# Altium PCB AD-FMComms3_revA.PcbDoc (part 4 of 6)
Units mil, origin at the board's own origin, x right, y up, seen from the top; angles counter-clockwise.
Board outline 3311.81 x 2716.54 mil, 10 copper layers (TOP, L2_GND, L3_PWR, L4_GND, L5_SIG, L6_SIG, L7_GND, L8_PWR, L9_GND, BOTTOM), stack 60.05 mil thick; 211 components, 138 nets, 808 pads, 812 vias.
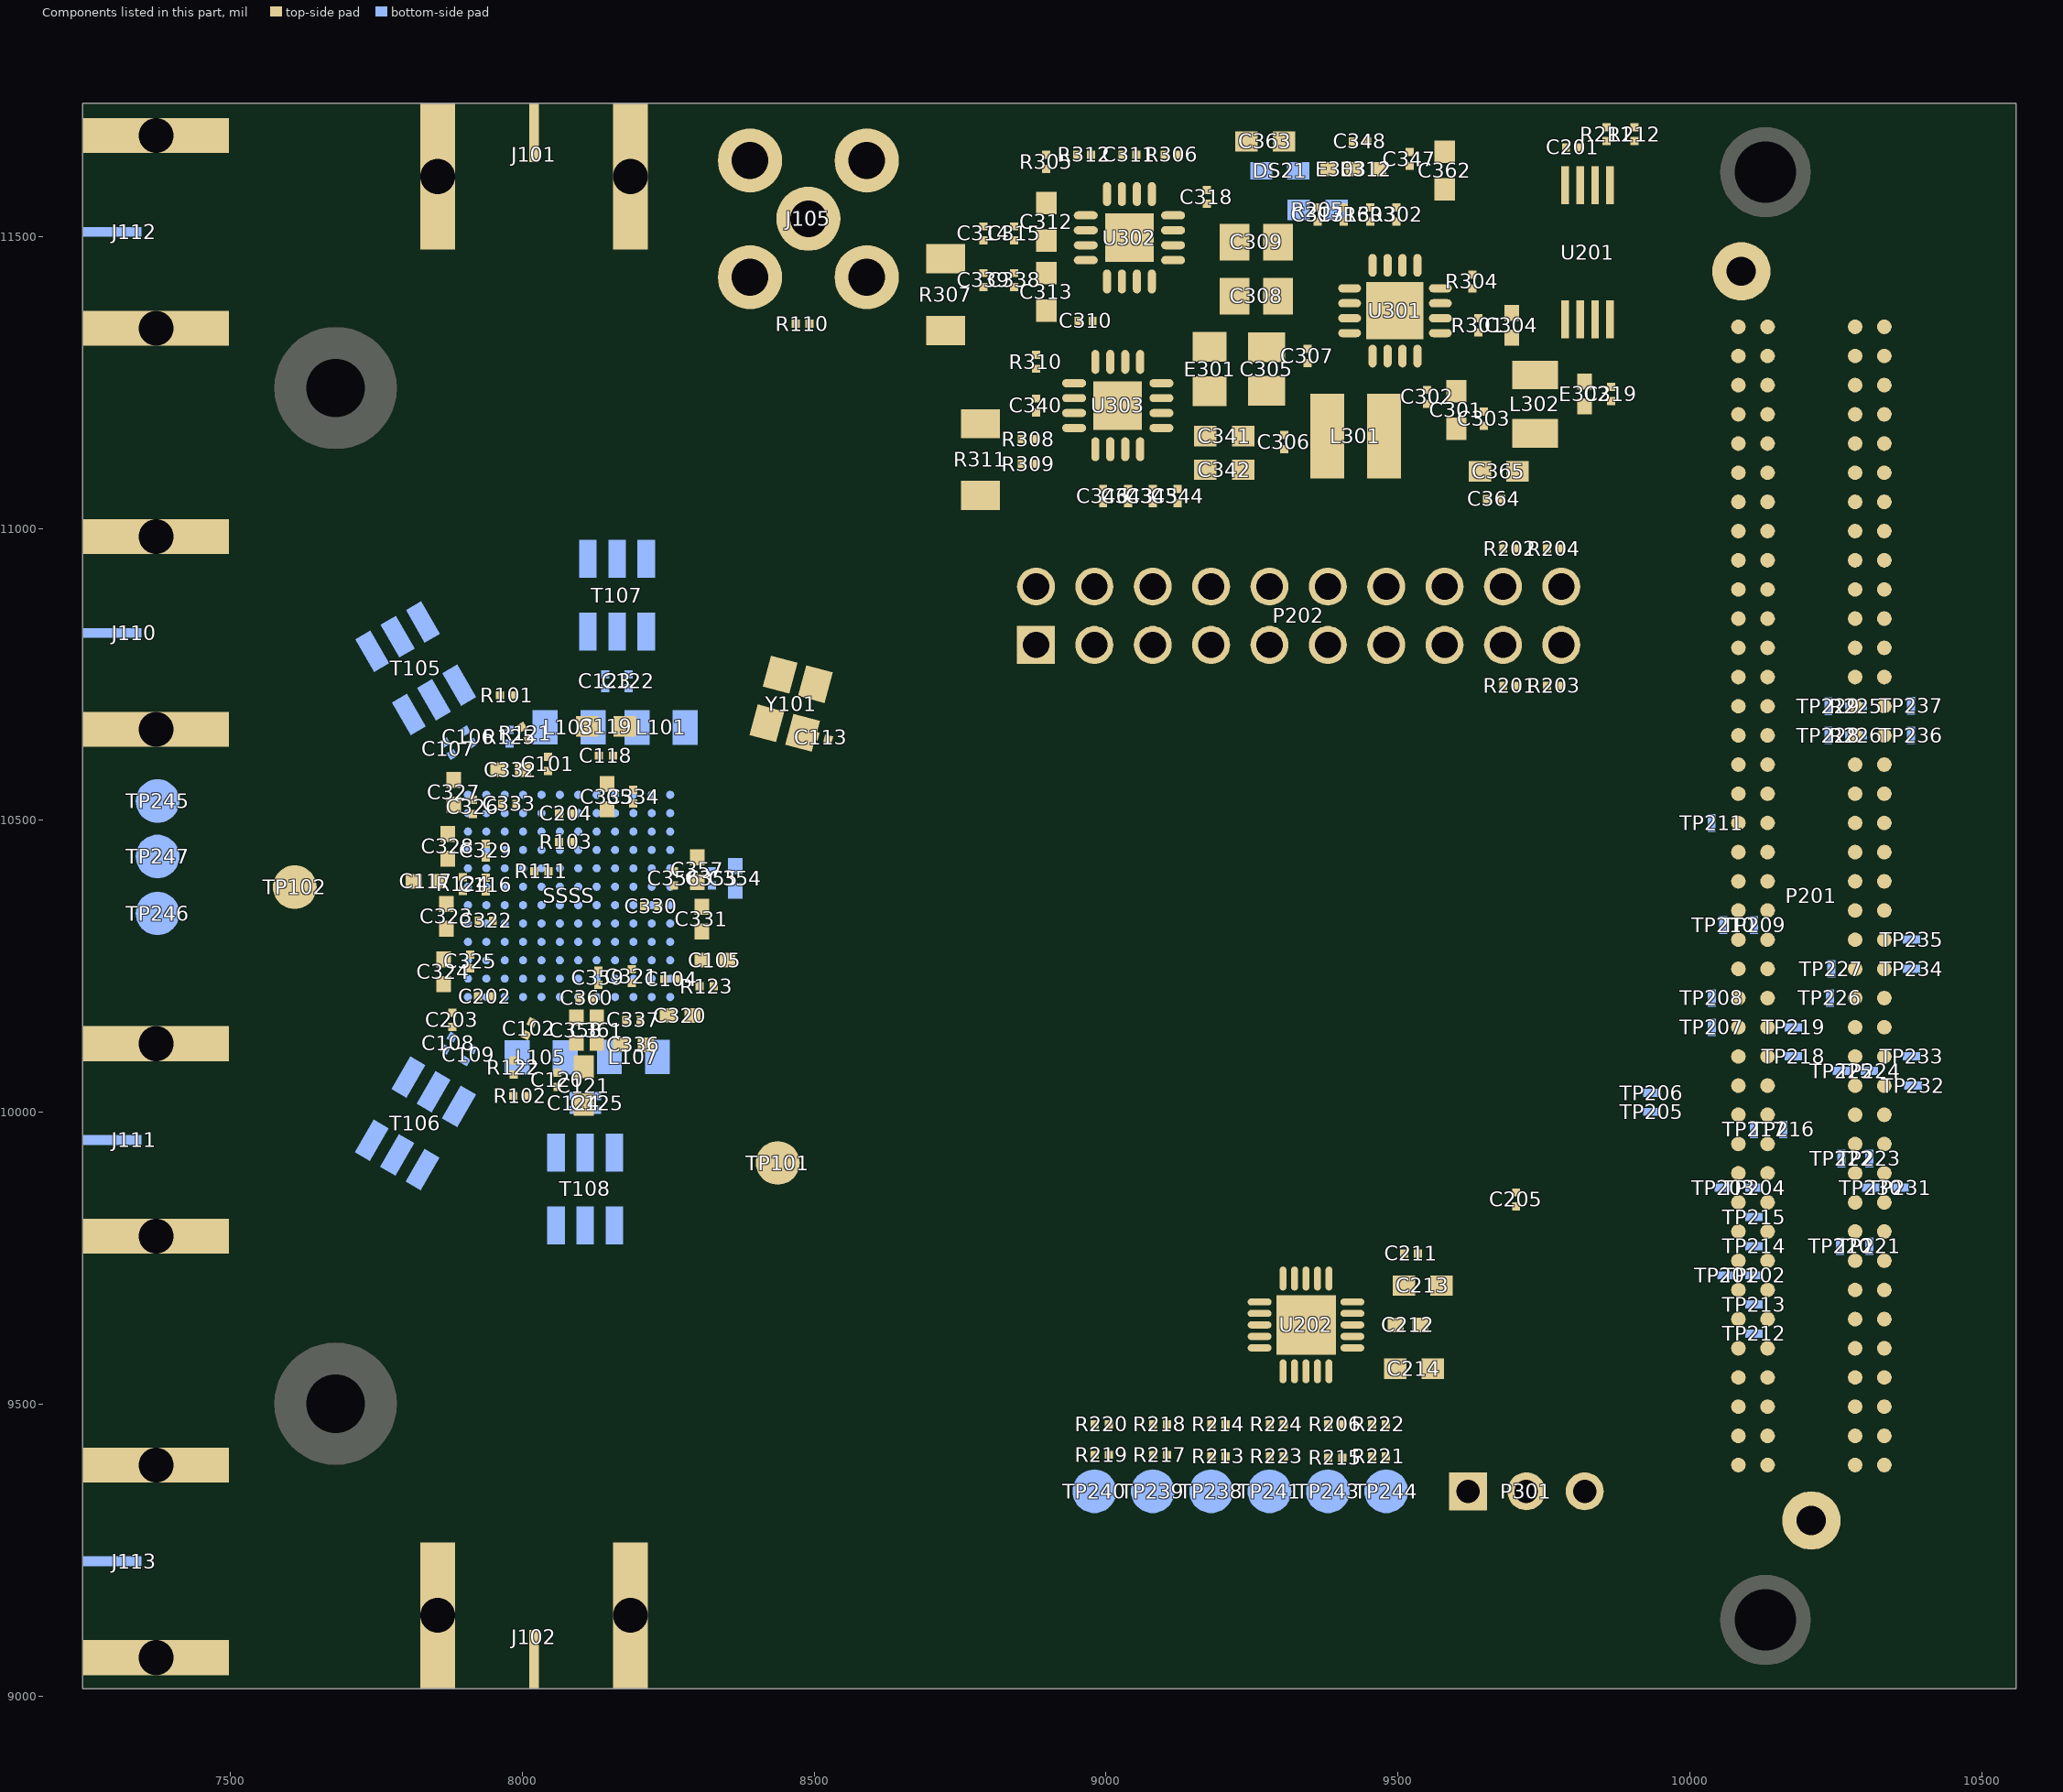
[diagram p12: the components of this part, seen from the top]

## Other copper (continued)
L2_GND:
  pour cut-out: 10146.57,11440.5 10145.45,11451.87 10142.13,11462.81 10136.75,11472.89 10129.49,11481.72 10120.66,11488.98 10110.58,11494.36 10099.64,11497.68 10088.27,11498.8 10076.9,11497.68 10065.96,11494.36 10059.24,11490.77 10055.88,11488.98 10047.05,11481.72 10039.79,11472.89 10034.41,11462.81 10031.09,11451.87 10029.97,11440.5 10031.09,11429.13 10034.41,11418.19 10039.79,11408.11 10047.05,11399.28 10055.88,11392.02 10059.24,11390.23 10065.96,11386.64 10076.9,11383.32 10088.27,11382.2 10099.64,11383.32 10110.58,11386.64 10120.66,11392.02 10129.49,11399.28 10136.75,11408.11 10142.13,11418.19 10145.45,11429.13 10146.57,11440.5
  pour cut-out: 10266.57,9300.5 10265.45,9311.87 10262.13,9322.81 10256.75,9332.89 10249.49,9341.72 10240.66,9348.98 10230.58,9354.36 10219.64,9357.68 10208.27,9358.8 10196.9,9357.68 10185.96,9354.36 10179.24,9350.77 10175.88,9348.98 10167.05,9341.72 10159.79,9332.89 10154.41,9322.81 10151.09,9311.87 10149.97,9300.5 10151.09,9289.13 10154.41,9278.19 10159.79,9268.11 10167.05,9259.28 10175.88,9252.02 10179.24,9250.23 10185.96,9246.64 10196.9,9243.32 10208.27,9242.2 10219.64,9243.32 10230.58,9246.64 10240.66,9252.02 10249.49,9259.28 10256.75,9268.11 10262.13,9278.19 10265.45,9289.13 10266.57,9300.5
  pour cut-out: 9860.87,9350.5 9859.48,9361.08 9855.39,9370.93 9848.9,9379.4 9840.43,9385.89 9830.58,9389.98 9820,9391.37 9809.42,9389.98 9799.57,9385.89 9791.1,9379.4 9784.61,9370.93 9780.52,9361.08 9779.13,9350.5 9780.52,9339.92 9784.61,9330.07 9791.1,9321.6 9799.57,9315.11 9809.42,9311.02 9820,9309.63 9830.58,9311.02 9840.43,9315.11 9848.9,9321.6 9855.39,9330.07 9859.48,9339.92 9860.87,9350.5
  pour cut-out: 9720.87,10900.5 9719.48,10911.08 9715.39,10920.93 9708.9,10929.4 9700.43,10935.89 9690.58,10939.98 9680,10941.37 9669.42,10939.98 9659.57,10935.89 9651.1,10929.4 9644.61,10920.93 9640.52,10911.08 9639.13,10900.5 9640.52,10889.92 9644.61,10880.07 9651.1,10871.6 9659.57,10865.11 9669.42,10861.02 9680,10859.63 9690.58,10861.02 9700.43,10865.11 9708.9,10871.6 9715.39,10880.07 9719.48,10889.92 9720.87,10900.5
  pour cut-out: 9820.87,10900.5 9819.48,10911.08 9815.39,10920.93 9808.9,10929.4 9800.43,10935.89 9790.58,10939.98 9780,10941.37 9769.42,10939.98 9759.57,10935.89 9751.1,10929.4 9744.61,10920.93 9740.52,10911.08 9739.13,10900.5 9740.52,10889.92 9744.61,10880.07 9751.1,10871.6 9759.57,10865.11 9769.42,10861.02 9780,10859.63 9790.58,10861.02 9800.43,10865.11 9808.9,10871.6 9815.39,10880.07 9819.48,10889.92 9820.87,10900.5
  pour cut-out: 9720.87,10800.5 9719.48,10811.08 9715.39,10820.93 9708.9,10829.4 9700.43,10835.89 9690.58,10839.98 9680,10841.37 9669.42,10839.98 9659.57,10835.89 9651.1,10829.4 9644.61,10820.93 9640.52,10811.08 9639.13,10800.5 9640.52,10789.92 9644.61,10780.07 9651.1,10771.6 9659.57,10765.11 9669.42,10761.02 9680,10759.63 9690.58,10761.02 9700.43,10765.11 9708.9,10771.6 9715.39,10780.07 9719.48,10789.92 9720.87,10800.5
  pour cut-out: 9820.87,10800.5 9819.48,10811.08 9815.39,10820.93 9808.9,10829.4 9800.43,10835.89 9790.58,10839.98 9780,10841.37 9769.42,10839.98 9759.57,10835.89 9751.1,10829.4 9744.61,10820.93 9740.52,10811.08 9739.13,10800.5 9740.52,10789.92 9744.61,10780.07 9751.1,10771.6 9759.57,10765.11 9769.42,10761.02 9780,10759.63 9790.58,10761.02 9800.43,10765.11 9808.9,10771.6 9815.39,10780.07 9819.48,10789.92 9820.87,10800.5
  pour cut-out: 9660.87,9350.5 9659.48,9361.08 9655.39,9370.93 9648.9,9379.4 9640.43,9385.89 9630.58,9389.98 9620,9391.37 9609.42,9389.98 9599.57,9385.89 9591.1,9379.4 9584.61,9370.93 9580.52,9361.08 9579.13,9350.5 9580.52,9339.92 9584.61,9330.07 9591.1,9321.6 9599.57,9315.11 9609.42,9311.02 9620,9309.63 9630.58,9311.02 9640.43,9315.11 9648.9,9321.6 9655.39,9330.07 9659.48,9339.92 9660.87,9350.5
  pour cut-out: 9760.87,9350.5 9759.48,9361.08 9755.39,9370.93 9748.9,9379.4 9740.43,9385.89 9730.58,9389.98 9720,9391.37 9709.42,9389.98 9699.57,9385.89 9691.1,9379.4 9684.61,9370.93 9680.52,9361.08 9679.13,9350.5 9680.52,9339.92 9684.61,9330.07 9691.1,9321.6 9699.57,9315.11 9709.42,9311.02 9720,9309.63 9730.58,9311.02 9740.43,9315.11 9748.9,9321.6 9755.39,9330.07 9759.48,9339.92 9760.87,9350.5
  pour cut-out: 9420.87,10900.5 9419.48,10911.08 9415.39,10920.93 9408.9,10929.4 9400.43,10935.89 9390.58,10939.98 9380,10941.37 9369.42,10939.98 9359.57,10935.89 9351.1,10929.4 9344.61,10920.93 9340.52,10911.08 9339.13,10900.5 9340.52,10889.92 9344.61,10880.07 9351.1,10871.6 9359.57,10865.11 9369.42,10861.02 9380,10859.63 9390.58,10861.02 9400.43,10865.11 9408.9,10871.6 9415.39,10880.07 9419.48,10889.92 9420.87,10900.5
  pour cut-out: 9520.87,10900.5 9519.48,10911.08 9515.39,10920.93 9508.9,10929.4 9500.43,10935.89 9490.58,10939.98 9480,10941.37 9469.42,10939.98 9459.57,10935.89 9451.1,10929.4 9444.61,10920.93 9440.52,10911.08 9439.13,10900.5 9440.52,10889.92 9444.61,10880.07 9451.1,10871.6 9459.57,10865.11 9469.42,10861.02 9480,10859.63 9490.58,10861.02 9500.43,10865.11 9508.9,10871.6 9515.39,10880.07 9519.48,10889.92 9520.87,10900.5
  pour cut-out: 9620.87,10900.5 9619.48,10911.08 9615.39,10920.93 9608.9,10929.4 9600.43,10935.89 9590.58,10939.98 9580,10941.37 9569.42,10939.98 9559.57,10935.89 9551.1,10929.4 9544.61,10920.93 9540.52,10911.08 9539.13,10900.5 9540.52,10889.92 9544.61,10880.07 9551.1,10871.6 9559.57,10865.11 9569.42,10861.02 9580,10859.63 9590.58,10861.02 9600.43,10865.11 9608.9,10871.6 9615.39,10880.07 9619.48,10889.92 9620.87,10900.5
  pour cut-out: 9420.87,10800.5 9419.48,10811.08 9415.39,10820.93 9408.9,10829.4 9400.43,10835.89 9390.58,10839.98 9380,10841.37 9369.42,10839.98 9359.57,10835.89 9351.1,10829.4 9344.61,10820.93 9340.52,10811.08 9339.13,10800.5 9340.52,10789.92 9344.61,10780.07 9351.1,10771.6 9359.57,10765.11 9369.42,10761.02 9380,10759.63 9390.58,10761.02 9400.43,10765.11 9408.9,10771.6 9415.39,10780.07 9419.48,10789.92 9420.87,10800.5
  pour cut-out: 9520.87,10800.5 9519.48,10811.08 9515.39,10820.93 9508.9,10829.4 9500.43,10835.89 9490.58,10839.98 9480,10841.37 9469.42,10839.98 9459.57,10835.89 9451.1,10829.4 9444.61,10820.93 9440.52,10811.08 9439.13,10800.5 9440.52,10789.92 9444.61,10780.07 9451.1,10771.6 9459.57,10765.11 9469.42,10761.02 9480,10759.63 9490.58,10761.02 9500.43,10765.11 9508.9,10771.6 9515.39,10780.07 9519.48,10789.92 9520.87,10800.5
  pour cut-out: 9620.87,10800.5 9619.48,10811.08 9615.39,10820.93 9608.9,10829.4 9600.43,10835.89 9590.58,10839.98 9580,10841.37 9569.42,10839.98 9559.57,10835.89 9551.1,10829.4 9544.61,10820.93 9540.52,10811.08 9539.13,10800.5 9540.52,10789.92 9544.61,10780.07 9551.1,10771.6 9559.57,10765.11 9569.42,10761.02 9580,10759.63 9590.58,10761.02 9600.43,10765.11 9608.9,10771.6 9615.39,10780.07 9619.48,10789.92 9620.87,10800.5
  pour cut-out: 9220.87,10900.5 9219.48,10911.08 9215.39,10920.93 9208.9,10929.4 9200.43,10935.89 9190.58,10939.98 9180,10941.37 9169.42,10939.98 9159.57,10935.89 9151.1,10929.4 9144.61,10920.93 9140.52,10911.08 9139.13,10900.5 9140.52,10889.92 9144.61,10880.07 9151.1,10871.6 9159.57,10865.11 9169.42,10861.02 9180,10859.63 9190.58,10861.02 9200.43,10865.11 9208.9,10871.6 9215.39,10880.07 9219.48,10889.92 9220.87,10900.5
  pour cut-out: 9320.87,10900.5 9319.48,10911.08 9315.39,10920.93 9308.9,10929.4 9300.43,10935.89 9290.58,10939.98 9280,10941.37 9269.42,10939.98 9259.57,10935.89 9251.1,10929.4 9244.61,10920.93 9240.52,10911.08 9239.13,10900.5 9240.52,10889.92 9244.61,10880.07 9251.1,10871.6 9259.57,10865.11 9269.42,10861.02 9280,10859.63 9290.58,10861.02 9300.43,10865.11 9308.9,10871.6 9315.39,10880.07 9319.48,10889.92 9320.87,10900.5
  pour cut-out: 9220.87,10800.5 9219.48,10811.08 9215.39,10820.93 9208.9,10829.4 9200.43,10835.89 9190.58,10839.98 9180,10841.37 9169.42,10839.98 9159.57,10835.89 9151.1,10829.4 9144.61,10820.93 9140.52,10811.08 9139.13,10800.5 9140.52,10789.92 9144.61,10780.07 9151.1,10771.6 9159.57,10765.11 9169.42,10761.02 9180,10759.63 9190.58,10761.02 9200.43,10765.11 9208.9,10771.6 9215.39,10780.07 9219.48,10789.92 9220.87,10800.5
  pour cut-out: 9320.87,10800.5 9319.48,10811.08 9315.39,10820.93 9308.9,10829.4 9300.43,10835.89 9290.58,10839.98 9280,10841.37 9269.42,10839.98 9259.57,10835.89 9251.1,10829.4 9244.61,10820.93 9240.52,10811.08 9239.13,10800.5 9240.52,10789.92 9244.61,10780.07 9251.1,10771.6 9259.57,10765.11 9269.42,10761.02 9280,10759.63 9290.58,10761.02 9300.43,10765.11 9308.9,10771.6 9315.39,10780.07 9319.48,10789.92 9320.87,10800.5
  pour cut-out: 9020.87,10900.5 9019.48,10911.08 9015.39,10920.93 9008.9,10929.4 9000.43,10935.89 8990.58,10939.98 8980,10941.37 8969.42,10939.98 8959.57,10935.89 8951.1,10929.4 8944.61,10920.93 8940.52,10911.08 8939.13,10900.5 8940.52,10889.92 8944.61,10880.07 8951.1,10871.6 8959.57,10865.11 8969.42,10861.02 8980,10859.63 8990.58,10861.02 9000.43,10865.11 9008.9,10871.6 9015.39,10880.07 9019.48,10889.92 9020.87,10900.5
  pour cut-out: 9120.87,10900.5 9119.48,10911.08 9115.39,10920.93 9108.9,10929.4 9100.43,10935.89 9090.58,10939.98 9080,10941.37 9069.42,10939.98 9059.57,10935.89 9051.1,10929.4 9044.61,10920.93 9040.52,10911.08 9039.13,10900.5 9040.52,10889.92 9044.61,10880.07 9051.1,10871.6 9059.57,10865.11 9069.42,10861.02 9080,10859.63 9090.58,10861.02 9100.43,10865.11 9108.9,10871.6 9115.39,10880.07 9119.48,10889.92 9120.87,10900.5
  pour cut-out: 9020.87,10800.5 9019.48,10811.08 9015.39,10820.93 9008.9,10829.4 9000.43,10835.89 8990.58,10839.98 8980,10841.37 8969.42,10839.98 8959.57,10835.89 8951.1,10829.4 8944.61,10820.93 8940.52,10811.08 8939.13,10800.5 8940.52,10789.92 8944.61,10780.07 8951.1,10771.6 8959.57,10765.11 8969.42,10761.02 8980,10759.63 8990.58,10761.02 9000.43,10765.11 9008.9,10771.6 9015.39,10780.07 9019.48,10789.92 9020.87,10800.5
  pour cut-out: 9120.87,10800.5 9119.48,10811.08 9115.39,10820.93 9108.9,10829.4 9100.43,10835.89 9090.58,10839.98 9080,10841.37 9069.42,10839.98 9059.57,10835.89 9051.1,10829.4 9044.61,10820.93 9040.52,10811.08 9039.13,10800.5 9040.52,10789.92 9044.61,10780.07 9051.1,10771.6 9059.57,10765.11 9069.42,10761.02 9080,10759.63 9090.58,10761.02 9100.43,10765.11 9108.9,10771.6 9115.39,10780.07 9119.48,10789.92 9120.87,10800.5
  pour cut-out: 8920.87,10900.5 8919.48,10911.08 8915.39,10920.93 8908.9,10929.4 8900.43,10935.89 8890.58,10939.98 8880,10941.37 8869.42,10939.98 8859.57,10935.89 8851.1,10929.4 8844.61,10920.93 8840.52,10911.08 8839.13,10900.5 8840.52,10889.92 8844.61,10880.07 8851.1,10871.6 8859.57,10865.11 8869.42,10861.02 8880,10859.63 8890.58,10861.02 8900.43,10865.11 8908.9,10871.6 8915.39,10880.07 8919.48,10889.92 8920.87,10900.5
  pour cut-out: 8920.87,10800.5 8919.48,10811.08 8915.39,10820.93 8908.9,10829.4 8900.43,10835.89 8890.58,10839.98 8880,10841.37 8869.42,10839.98 8859.57,10835.89 8851.1,10829.4 8844.61,10820.93 8840.52,10811.08 8839.13,10800.5 8840.52,10789.92 8844.61,10780.07 8851.1,10771.6 8859.57,10765.11 8869.42,10761.02 8880,10759.63 8890.58,10761.02 8900.43,10765.11 8908.9,10771.6 8915.39,10780.07 8919.48,10789.92 8920.87,10800.5
  text "2" at 10502.03,11654.98 h31 r270
L3_PWR:
  pour cut-out: 10266.57,9300.5 10265.45,9311.87 10262.13,9322.81 10256.75,9332.89 10249.49,9341.72 10240.66,9348.98 10230.58,9354.36 10219.64,9357.68 10208.27,9358.8 10196.9,9357.68 10185.96,9354.36 10179.24,9350.77 10175.88,9348.98 10167.05,9341.72 10159.79,9332.89 10154.41,9322.81 10151.09,9311.87 10149.97,9300.5 10151.09,9289.13 10154.41,9278.19 10159.79,9268.11 10167.05,9259.28 10175.88,9252.02 10179.24,9250.23 10185.96,9246.64 10196.9,9243.32 10208.27,9242.2 10219.64,9243.32 10230.58,9246.64 10240.66,9252.02 10249.49,9259.28 10256.75,9268.11 10262.13,9278.19 10265.45,9289.13 10266.57,9300.5
  pour cut-out: 9189.34,9382.49 9189.08,9382.25 9188.81,9382.04 9188.51,9381.86 9188.2,9381.7 9187.88,9381.56 9187.55,9381.46 9187.21,9381.38 9186.86,9381.34 9186.51,9381.32 9186.16,9381.34 9185.82,9381.39 9185.48,9381.46 9185.14,9381.57 9184.82,9381.7 9184.51,9381.86 9184.22,9382.05 9183.94,9382.26 9183.69,9382.5 9183.45,9382.76 9183.24,9383.03 9183.05,9383.33 9182.89,9383.64 9182.76,9383.96 9182.65,9384.29 9182.58,9384.63 9182.53,9384.98 9182.52,9385.32 9182.52,9627.64 9194.66,9639.78 9194.92,9640.02 9195.19,9640.23 9195.49,9640.41 9195.8,9640.57 9196.12,9640.71 9196.45,9640.81 9196.79,9640.89 9197.14,9640.93 9197.49,9640.95 9197.84,9640.93 9198.18,9640.89 9198.52,9640.81 9198.85,9640.7 9199.18,9640.57 9199.49,9640.41 9199.78,9640.22 9200.06,9640.01 9200.31,9639.77 9200.55,9639.52 9200.76,9639.24 9200.95,9638.94 9201.11,9638.63 9201.24,9638.31 9201.35,9637.98 9201.42,9637.64 9201.47,9637.29 9201.48,9636.95 9201.48,9394.63 9189.34,9382.49
  pour cut-out: 9652.71,10830.45 9652.44,10830.23 9652.16,10830.03 9651.85,10829.85 9651.54,10829.71 9651.21,10829.59 9650.87,10829.5 9650.53,10829.44 9650.18,10829.41 9649.83,10829.41 9649.48,10829.44 9649.14,10829.51 9648.8,10829.6 9648.48,10829.72 9648.16,10829.87 9647.86,10830.04 9647.57,10830.24 9647.31,10830.47 9647.06,10830.72 9646.84,10830.98 9646.64,10831.27 9646.47,10831.57 9646.32,10831.89 9646.2,10832.22 9646.11,10832.55 9646.05,10832.9 9646.02,10833.25 9646.02,10833.4 9646.02,10867.6 9646.04,10867.95 9646.08,10868.29 9646.16,10868.63 9646.26,10868.97 9646.4,10869.29 9646.56,10869.6 9646.75,10869.89 9646.96,10870.17 9647.2,10870.43 9647.45,10870.66 9647.73,10870.87 9648.03,10871.06 9648.34,10871.22 9648.66,10871.35 9648.99,10871.46 9649.33,10871.53 9649.68,10871.58 9650.03,10871.59 9650.37,10871.58 9650.72,10871.53 9651.06,10871.45 9651.39,10871.35 9651.71,10871.21 9652.02,10871.05 9652.32,10870.86 9652.59,10870.65 9652.71,10870.55 9655.42,10868.28 9658.32,10866.26 9661.39,10864.51 9664.6,10863.02 9667.92,10861.82 9671.34,10860.91 9674.82,10860.31 9678.35,10860.01 9681.88,10860.02 9683.17,10860.1 9683.52,10860.11 9683.87,10860.09 9684.21,10860.05 9684.55,10859.97 9684.88,10859.86 9685.2,10859.72 9685.51,10859.56 9685.8,10859.37 9686.08,10859.15 9686.33,10858.92 9686.57,10858.66 9686.78,10858.38 9686.96,10858.08 9687.12,10857.77 9687.25,10857.45 9687.35,10857.12 9687.43,10856.78 9687.47,10856.43 9687.48,10856.12 9687.48,10844.88 9687.46,10844.53 9687.42,10844.19 9687.34,10843.85 9687.24,10843.51 9687.1,10843.19 9686.94,10842.88 9686.75,10842.59 9686.54,10842.31 9686.31,10842.06 9686.05,10841.82 9685.77,10841.61 9685.48,10841.42 9685.17,10841.26 9684.85,10841.13 9684.51,10841.02 9684.17,10840.95 9683.83,10840.9 9683.48,10840.89 9683.17,10840.9 9679.64,10841.02 9676.11,10840.84 9672.61,10840.34 9669.16,10839.55 9665.8,10838.45 9662.55,10837.07 9659.43,10835.41 9656.46,10833.48 9653.68,10831.3 9652.71,10830.45
  pour cut-out: 9652.71,10930.45 9652.44,10930.23 9652.16,10930.03 9651.85,10929.85 9651.54,10929.71 9651.21,10929.59 9650.87,10929.5 9650.53,10929.44 9650.18,10929.41 9649.83,10929.41 9649.48,10929.44 9649.14,10929.51 9648.8,10929.6 9648.48,10929.72 9648.16,10929.87 9647.86,10930.04 9647.57,10930.24 9647.31,10930.47 9647.06,10930.72 9646.84,10930.98 9646.64,10931.27 9646.47,10931.57 9646.32,10931.89 9646.2,10932.22 9646.11,10932.55 9646.05,10932.9 9646.02,10933.25 9646.02,10933.4 9646.02,10981.37 9680.66,11016.01 9680.92,11016.25 9681.19,11016.46 9681.49,11016.65 9681.8,11016.81 9682.12,11016.94 9682.45,11017.05 9682.79,11017.12 9683.14,11017.17 9683.49,11017.18 9683.84,11017.17 9684.18,11017.12 9684.52,11017.05 9684.86,11016.94 9685.18,11016.81 9685.49,11016.65 9685.78,11016.46 9686.06,11016.25 9686.32,11016.01 9686.55,11015.75 9686.77,11015.48 9686.95,11015.18 9687.12,11014.87 9687.25,11014.55 9687.35,11014.22 9687.43,11013.88 9687.47,11013.53 9687.49,11013.18 9687.49,10944.88 9687.47,10944.53 9687.43,10944.19 9687.35,10943.84 9687.25,10943.51 9687.11,10943.19 9686.95,10942.88 9686.76,10942.59 9686.55,10942.31 9686.31,10942.05 9686.06,10941.82 9685.78,10941.61 9685.48,10941.42 9685.17,10941.26 9684.85,10941.13 9684.52,10941.02 9684.18,10940.95 9683.83,10940.9 9683.48,10940.89 9683.17,10940.9 9679.64,10941.02 9676.11,10940.84 9672.61,10940.34 9669.16,10939.55 9665.8,10938.45 9662.55,10937.07 9659.43,10935.41 9656.46,10933.48 9653.68,10931.3 9652.71,10930.45
  pour cut-out: 9520.87,10800.5 9519.48,10811.08 9515.39,10820.93 9508.9,10829.4 9500.43,10835.89 9490.58,10839.98 9480,10841.37 9469.42,10839.98 9459.57,10835.89 9451.1,10829.4 9444.61,10820.93 9440.52,10811.08 9439.13,10800.5 9440.52,10789.92 9444.61,10780.07 9451.1,10771.6 9459.57,10765.11 9469.42,10761.02 9480,10759.63 9490.58,10761.02 9500.43,10765.11 9508.9,10771.6 9515.39,10780.07 9519.48,10789.92 9520.87,10800.5
  pour cut-out: 9860.87,9350.5 9859.48,9361.08 9855.39,9370.93 9848.9,9379.4 9840.43,9385.89 9830.58,9389.98 9820,9391.37 9809.42,9389.98 9799.57,9385.89 9791.1,9379.4 9784.61,9370.93 9780.52,9361.08 9779.13,9350.5 9780.52,9339.92 9784.61,9330.07 9791.1,9321.6 9799.57,9315.11 9809.42,9311.02 9820,9309.63 9830.58,9311.02 9840.43,9315.11 9848.9,9321.6 9855.39,9330.07 9859.48,9339.92 9860.87,9350.5
  pour cut-out: 9820.87,10900.5 9819.48,10911.08 9815.39,10920.93 9808.9,10929.4 9800.43,10935.89 9790.58,10939.98 9780,10941.37 9769.42,10939.98 9759.57,10935.89 9751.1,10929.4 9744.61,10920.93 9740.52,10911.08 9739.13,10900.5 9740.52,10889.92 9744.61,10880.07 9751.1,10871.6 9759.57,10865.11 9769.42,10861.02 9780,10859.63 9790.58,10861.02 9800.43,10865.11 9808.9,10871.6 9815.39,10880.07 9819.48,10889.92 9820.87,10900.5
  pour cut-out: 9660.87,9350.5 9659.48,9361.08 9655.39,9370.93 9648.9,9379.4 9640.43,9385.89 9630.58,9389.98 9620,9391.37 9609.42,9389.98 9599.57,9385.89 9591.1,9379.4 9584.61,9370.93 9580.52,9361.08 9579.13,9350.5 9580.52,9339.92 9584.61,9330.07 9591.1,9321.6 9599.57,9315.11 9609.42,9311.02 9620,9309.63 9630.58,9311.02 9640.43,9315.11 9648.9,9321.6 9655.39,9330.07 9659.48,9339.92 9660.87,9350.5
  pour cut-out: 9760.87,9350.5 9759.48,9361.08 9755.39,9370.93 9748.9,9379.4 9740.43,9385.89 9730.58,9389.98 9720,9391.37 9709.42,9389.98 9699.57,9385.89 9691.1,9379.4 9684.61,9370.93 9680.52,9361.08 9679.13,9350.5 9680.52,9339.92 9684.61,9330.07 9691.1,9321.6 9699.57,9315.11 9709.42,9311.02 9720,9309.63 9730.58,9311.02 9740.43,9315.11 9748.9,9321.6 9755.39,9330.07 9759.48,9339.92 9760.87,9350.5
  pour cut-out: 9220.87,10900.5 9219.48,10911.08 9215.39,10920.93 9208.9,10929.4 9200.43,10935.89 9190.58,10939.98 9180,10941.37 9169.42,10939.98 9159.57,10935.89 9151.1,10929.4 9144.61,10920.93 9140.52,10911.08 9139.13,10900.5 9140.52,10889.92 9144.61,10880.07 9151.1,10871.6 9159.57,10865.11 9169.42,10861.02 9180,10859.63 9190.58,10861.02 9200.43,10865.11 9208.9,10871.6 9215.39,10880.07 9219.48,10889.92 9220.87,10900.5
  pour cut-out: 9320.87,10900.5 9319.48,10911.08 9315.39,10920.93 9308.9,10929.4 9300.43,10935.89 9290.58,10939.98 9280,10941.37 9269.42,10939.98 9259.57,10935.89 9251.1,10929.4 9244.61,10920.93 9240.52,10911.08 9239.13,10900.5 9240.52,10889.92 9244.61,10880.07 9251.1,10871.6 9259.57,10865.11 9269.42,10861.02 9280,10859.63 9290.58,10861.02 9300.43,10865.11 9308.9,10871.6 9315.39,10880.07 9319.48,10889.92 9320.87,10900.5
  pour cut-out: 9220.87,10800.5 9219.48,10811.08 9215.39,10820.93 9208.9,10829.4 9200.43,10835.89 9190.58,10839.98 9180,10841.37 9169.42,10839.98 9159.57,10835.89 9151.1,10829.4 9144.61,10820.93 9140.52,10811.08 9139.13,10800.5 9140.52,10789.92 9144.61,10780.07 9151.1,10771.6 9159.57,10765.11 9169.42,10761.02 9180,10759.63 9190.58,10761.02 9200.43,10765.11 9208.9,10771.6 9215.39,10780.07 9219.48,10789.92 9220.87,10800.5

## Text inside footprints (layer, text, board x,y; h text height)
SSSS: PIN_NUMBER "K5" at 8012.76,10480.74 h25 r270; PIN_NUMBER "F12" at 8223.23,10354.75 h25 r270; PIN_NUMBER "M9" at 8138.74,10543.73 h25 r270; PIN_NUMBER "M10" at 8160.24,10543.73 h25 r270; PIN_NUMBER "A9" at 8138.74,10197.27 h25 r270; PIN_NUMBER "A10" at 8160.24,10197.27 h25 r270; PIN_NUMBER "D2" at 7918.27,10291.76 h25 r270; PIN_NUMBER "D3" at 7949.76,10291.76 h25 r270; PIN_NUMBER "E3" at 7949.76,10323.26 h25 r270; PIN_NUMBER "K4" at 7981.26,10480.74 h25 r270; PIN_NUMBER "E2" at 7918.27,10323.26 h25 r270; PIN_NUMBER "F2" at 7918.27,10354.75 h25 r270; PIN_NUMBER "K3" at 7949.76,10480.74 h25 r270; PIN_NUMBER "J3" at 7949.76,10449.24 h25 r270; PIN_NUMBER "B9" at 8138.74,10228.77 h25 r270; PIN_NUMBER "B10" at 8160.24,10228.77 h25 r270; PIN_NUMBER "M11" at 8191.73,10543.73 h25 r270; PIN_NUMBER "B8" at 8107.24,10228.77 h25 r270; PIN_NUMBER "G2" at 7918.27,10386.25 h25 r270; PIN_NUMBER "G3" at 7949.76,10386.25 h25 r270; PIN_NUMBER "L4" at 7981.26,10512.23 h25 r270; PIN_NUMBER "A11" at 8191.73,10197.27 h25 r270; PIN_NUMBER "B11" at 8191.73,10228.77 h25 r270; PIN_NUMBER "A5" at 8012.76,10197.27 h25 r270; PIN_NUMBER "M5" at 8012.76,10543.73 h25 r270; PIN_NUMBER "H9" at 8138.74,10417.74 h25 r270; PIN_NUMBER "A12" at 8223.23,10197.27 h25 r270; PIN_NUMBER "E7" at 8075.75,10323.26 h25 r270; PIN_NUMBER "F8" at 8107.24,10354.75 h25 r270; PIN_NUMBER "D7" at 8075.75,10291.76 h25 r270; PIN_NUMBER "E8" at 8107.24,10323.26 h25 r270; PIN_NUMBER "D8" at 8107.24,10291.76 h25 r270; PIN_NUMBER "E9" at 8138.74,10323.26 h25 r270; PIN_NUMBER "D9" at 8138.74,10291.76 h25 r270; PIN_NUMBER "E10" at 8160.24,10323.26 h25 r270; PIN_NUMBER "D10" at 8160.24,10291.76 h25 r270; PIN_NUMBER "E11" at 8191.73,10323.26 h25 r270; PIN_NUMBER "D11" at 8191.73,10291.76 h25 r270; PIN_NUMBER "E12" at 8223.23,10323.26 h25 r270; PIN_NUMBER "G7" at 8075.75,10386.25 h25 r270; PIN_NUMBER "G1" at 7886.77,10386.25 h25 r270; PIN_NUMBER "H8" at 8107.24,10417.74 h25 r270; PIN_NUMBER "J7" at 8075.75,10449.24 h25 r270; PIN_NUMBER "J8" at 8107.24,10449.24 h25 r270; PIN_NUMBER "K7" at 8075.75,10480.74 h25 r270; PIN_NUMBER "J9" at 8138.74,10449.24 h25 r270; PIN_NUMBER "K8" at 8107.24,10480.74 h25 r270; PIN_NUMBER "J10" at 8160.24,10449.24 h25 r270; PIN_NUMBER "K9" at 8138.74,10480.74 h25 r270; PIN_NUMBER "J11" at 8191.73,10449.24 h25 r270; PIN_NUMBER "K10" at 8160.24,10480.74 h25 r270; PIN_NUMBER "J12" at 8223.23,10449.24 h25 r270; PIN_NUMBER "K11" at 8191.73,10480.74 h25 r270; PIN_NUMBER "G10" at 8160.24,10386.25 h25 r270; PIN_NUMBER "H11" at 8191.73,10417.74 h25 r270; PIN_NUMBER "C3" at 7949.76,10260.26 h25 r270; PIN_NUMBER "B3" at 7949.76,10228.77 h25 r270; PIN_NUMBER "L5" at 8012.76,10512.23 h25 r270; PIN_NUMBER "M3" at 7949.76,10543.73 h25 r270; PIN_NUMBER "A3" at 7949.76,10197.27 h25 r270; PIN_NUMBER "G9" at 8138.74,10386.25 h25 r270; PIN_NUMBER "A8" at 8107.24,10197.27 h25 r270; PIN_NUMBER "A7" at 8075.75,10197.27 h25 r270; PIN_NUMBER "M7" at 8075.75,10543.73 h25 r270; PIN_NUMBER "M8" at 8107.24,10543.73 h25 r270; PIN_NUMBER "G8" at 8107.24,10386.25 h25 r270; PIN_NUMBER "A2" at 7918.27,10197.27 h25 r270; PIN_NUMBER "A1" at 7886.77,10197.27 h25 r270; PIN_NUMBER "M1" at 7886.77,10543.73 h25 r270; PIN_NUMBER "M2" at 7918.27,10543.73 h25 r270; PIN_NUMBER "B4" at 7981.26,10228.77 h25 r270; PIN_NUMBER "B5" at 8012.76,10228.77 h25 r270; PIN_NUMBER "B6" at 8044.25,10228.77 h25 r270; PIN_NUMBER "B7" at 8075.75,10228.77 h25 r270; PIN_NUMBER "F10" at 8160.24,10354.75 h25 r270; PIN_NUMBER "G11" at 8191.73,10386.25 h25 r270; PIN_NUMBER "G4" at 7981.26,10386.25 h25 r270; PIN_NUMBER "F4" at 7981.26,10354.75 h25 r270; PIN_NUMBER "F5" at 8012.76,10354.75 h25 r270; PIN_NUMBER "F6" at 8044.25,10354.75 h25 r270; PIN_NUMBER "E6" at 8044.25,10323.26 h25 r270; PIN_NUMBER "E5" at 8012.76,10323.26 h25 r270; PIN_NUMBER "E4" at 7981.26,10323.26 h25 r270; PIN_NUMBER "D4" at 7981.26,10291.76 h25 r270; PIN_NUMBER "D5" at 8012.76,10291.76 h25 r270; PIN_NUMBER "D6" at 8044.25,10291.76 h25 r270; PIN_NUMBER "C6" at 8044.25,10260.26 h25 r270; PIN_NUMBER "C5" at 8012.76,10260.26 h25 r270; PIN_NUMBER "J6" at 8044.25,10449.24 h25 r270; PIN_NUMBER "H5" at 8012.76,10417.74 h25 r270; PIN_NUMBER "M12" at 8223.23,10543.73 h25 r270; PIN_NUMBER "H12" at 8223.23,10417.74 h25 r270; PIN_NUMBER "H4" at 7981.26,10417.74 h25 r270; PIN_NUMBER "K6" at 8044.25,10480.74 h25 r270; PIN_NUMBER "L6" at 8044.25,10512.23 h25 r270; PIN_NUMBER "J4" at 7981.26,10449.24 h25 r270; PIN_NUMBER "J5" at 8012.76,10449.24 h25 r270; PIN_NUMBER "F11" at 8191.73,10354.75 h25 r270; PIN_NUMBER "L1" at 7886.77,10512.23 h25 r270; PIN_NUMBER "H3" at 7949.76,10417.74 h25 r270; PIN_NUMBER "L7" at 8075.75,10512.23 h25 r270; PIN_NUMBER "H10" at 8160.24,10417.74 h25 r270; PIN_NUMBER "K12" at 8223.23,10480.74 h25 r270; PIN_NUMBER "F7" at 8075.75,10354.75 h25 r270; PIN_NUMBER "G12" at 8223.23,10386.25 h25 r270; PIN_NUMBER "C12" at 8223.23,10260.26 h25 r270; PIN_NUMBER "B12" at 8223.23,10228.77 h25 r270; PIN_NUMBER "D12" at 8223.23,10291.76 h25 r270; PIN_NUMBER "C11" at 8191.73,10260.26 h25 r270; PIN_NUMBER "C10" at 8160.24,10260.26 h25 r270; PIN_NUMBER "C9" at 8138.74,10260.26 h25 r270; PIN_NUMBER "M4" at 7981.26,10543.73 h25 r270; PIN_NUMBER "L2" at 7918.27,10512.23 h25 r270; PIN_NUMBER "K2" at 7918.27,10480.74 h25 r270; PIN_NUMBER "H2" at 7918.27,10417.74 h25 r270; PIN_NUMBER "M6" at 8044.25,10543.73 h25 r270; PIN_NUMBER "L11" at 8191.73,10512.23 h25 r270; PIN_NUMBER "H7" at 8075.75,10417.74 h25 r270; PIN_NUMBER "L12" at 8223.23,10512.23 h25 r270; PIN_NUMBER "L8" at 8107.24,10512.23 h25 r270; PIN_NUMBER "L9" at 8138.74,10512.23 h25 r270; PIN_NUMBER "J1" at 7886.77,10449.24 h25 r270; PIN_NUMBER "J2" at 7918.27,10449.24 h25 r270; PIN_NUMBER "F1" at 7886.77,10354.75 h25 r270; PIN_NUMBER "E1" at 7886.77,10323.26 h25 r270; PIN_NUMBER "C7" at 8075.75,10260.26 h25 r270; PIN_NUMBER "A6" at 8044.25,10197.27 h25 r270; PIN_NUMBER "F9" at 8138.74,10354.75 h25 r270; PIN_NUMBER "B1" at 7886.77,10228.77 h25 r270; PIN_NUMBER "B2" at 7918.27,10228.77 h25 r270; PIN_NUMBER "C2" at 7918.27,10260.26 h25 r270; PIN_NUMBER "C4" at 7981.26,10260.26 h25 r270; PIN_NUMBER "F3" at 7949.76,10354.75 h25 r270; PIN_NUMBER "L3" at 7949.76,10512.23 h25 r270; PIN_NUMBER "K1" at 7886.77,10480.74 h25 r270; PIN_NUMBER "H6" at 8044.25,10417.74 h25 r270; PIN_NUMBER "C8" at 8107.24,10260.26 h25 r270; PIN_NUMBER "L10" at 8160.24,10512.23 h25 r270; PIN_NUMBER "C1" at 7886.77,10260.26 h25 r270; PIN_NUMBER "H1" at 7886.77,10417.74 h25 r270; PIN_NUMBER "D1" at 7886.77,10291.76 h25 r270; PIN_NUMBER "A4" at 7981.26,10197.27 h25 r270; PIN_NUMBER "G5" at 8012.76,10386.25 h25 r270; PIN_NUMBER "G6" at 8044.25,10386.25 h25 r270; ASSEMBLY_BOTTOM "AD9361BBCZ" at 8030,10370.5 h25 r270; ASSEMBLY_BOTTOM "UPN" at 7850,10370.5 h25 r270; PAD_STACK_NAME "BGA144" at 8452.13,10370.5 h50 r270; PAD_STACK_NAME "C14" at 7559.37,10354.75 h50 r270; PAD_STACK_NAME "VIA1206" at 7404.57,10354.75 h50 r270; Bottom Overlay "A" at 7823.91,10178.56 h25 r270; Bottom Overlay "B" at 7823.91,10214.95 h25 r270; Bottom Overlay "C" at 7820.75,10251.35 h25 r270; Bottom Overlay "D" at 7822.33,10284.57 h25 r270; Bottom Overlay "E" at 7822.33,10316.22 h25 r270; Bottom Overlay "F" at 7823.91,10349.45 h25 r270; Bottom Overlay "G" at 7822.33,10395.33 h25 r270; Bottom Overlay "H" at 7823.91,10433.31 h25 r270; Bottom Overlay "J" at 7820.75,10466.54 h25 r270; Bottom Overlay "K" at 7825.5,10499.77 h25 r270; Bottom Overlay "L" at 7822.33,10536.16 h25 r270; Bottom Overlay "M" at 7825.5,10566.22 h25 r270; Bottom Overlay "1" at 7877.96,10096.69 h25 r270; Bottom Overlay "2" at 7909.61,10098.27 h25 r270; Bottom Overlay "3" at 7939.67,10098.27 h25 r270; Bottom Overlay "4" at 7974.48,10098.27 h25 r270; Bottom Overlay "5" at 8004.55,10101.44 h25 r270; Bottom Overlay "6" at 8033.03,10099.85 h25 r270; Bottom Overlay "7" at 8089.99,10096.69 h25 r270; Bottom Overlay "8" at 8120.06,10096.69 h25 r270; Bottom Overlay "9" at 8154.87,10098.27 h25 r270; Bottom Overlay "10" at 8188.09,10077.8 h25 r270; Bottom Overlay "11" at 8222.91,10079.38 h25 r270; Bottom Overlay "12" at 8254.55,10080.96 h25 r270; DISPLAY_BOTTOM "16JUL08" at 8003.1,9937.43 h30.98 r180; DISPLAY_BOTTOM "ADI/LCL" at 8005.57,9896.28 h30.98 r180; DISPLAY_BOTTOM "QA/MER" at 7995.81,10813.41 h30.98 r180; DISPLAY_BOTTOM "18JUL08" at 7982.84,10854 h30.98 r180; DISPLAY_BOTTOM "QA/JMTG" at 7983.42,10921.18 h30.98 r180; DISPLAY_BOTTOM "22JUN09" at 7982.84,10967.68 h30.98 r180; NOTES "USED A .010\" LINE WIDTH AND VIA1206 FOR FANOUTS" at 7020.93,10390.19 h25 r270; NOTES "VIA SIZE AND LINE WIDTH CAN BE INCREASED / DECREASED" at 6927.39,10379.41 h25 r270; NOTES "AT THE DISCRETION OF THE DESIGNER" at 7074.76,10356.67 h25 r270
T105: PIN_NUMBER "5" at 7838.75,10706.38 h25 r30; PIN_NUMBER "2" at 7776.25,10814.62 h25 r30; PIN_NUMBER "1" at 7819.55,10839.63 h25 r30; PIN_NUMBER "3" at 7732.95,10789.63 h25 r30; PIN_NUMBER "6" at 7882.05,10731.37 h25 r30; PIN_NUMBER "4" at 7795.45,10681.37 h25 r30; ASSEMBLY_BOTTOM "UPN" at 7722.55,10723 h25 r300; ASSEMBLY_BOTTOM "TCM1-63AX+" at 7739.15,10773 h25 r300; PAD_STACK_NAME "TSML150W160H160" at 7417.5,10933.71 h50 r30; PAD_STACK_NAME "30X65" at 7804.99,10608.95 h50 r30; DISPLAY_BOTTOM "04SEP12" at 7535.84,10648 h31 r300; DISPLAY_BOTTOM "QA/REP" at 7591.55,10673.01 h31 r300; DISPLAY_BOTTOM "04SEP12" at 7860.61,10835.5 h31 r300; DISPLAY_BOTTOM "ADI/JSM" at 7903.91,10860.5 h31 r300
T106: PIN_NUMBER "5" at 7838.03,10035.02 h25 r150; PIN_NUMBER "1" at 7732.24,9951.77 h25 r150; PIN_NUMBER "2" at 7775.55,9926.78 h25 r150; PIN_NUMBER "3" at 7818.84,9901.78 h25 r150; PIN_NUMBER "6" at 7794.74,10060.02 h25 r150; PIN_NUMBER "4" at 7881.34,10010.03 h25 r150; ASSEMBLY_BOTTOM "UPN" at 7851.74,9943.4 h25 r60; ASSEMBLY_BOTTOM "TCM1-63AX+" at 7695.14,9993.39 h25 r60; PAD_STACK_NAME "TSML150W160H160" at 7416.8,9807.7 h50 r150; PAD_STACK_NAME "30X65" at 7804.28,10132.45 h50 r150; DISPLAY_BOTTOM "04SEP12" at 7924.85,9868.39 h31 r60; DISPLAY_BOTTOM "QA/REP" at 7893.94,9893.41 h31 r60; DISPLAY_BOTTOM "04SEP12" at 7600.08,10055.89 h31 r60; DISPLAY_BOTTOM "ADI/JSM" at 7556.79,10080.89 h31 r60
T107: PIN_NUMBER "5" at 8152.22,10822.98 h25; PIN_NUMBER "2" at 8152.22,10947.98 h25; PIN_NUMBER "1" at 8202.22,10947.98 h25; PIN_NUMBER "3" at 8102.22,10947.98 h25; PIN_NUMBER "6" at 8202.22,10822.98 h25; PIN_NUMBER "4" at 8102.22,10822.98 h25; ASSEMBLY_BOTTOM "UPN" at 8057.22,10885.48 h25 r270; ASSEMBLY_BOTTOM "TCM1-63AX+" at 8087.22,10885.48 h25 r270; PAD_STACK_NAME "TSML150W160H160" at 7862.22,11085.48 h50; PAD_STACK_NAME "30X65" at 8062.22,10710.48 h50; DISPLAY_BOTTOM "04SEP12" at 7850.42,10885.48 h31 r270; DISPLAY_BOTTOM "QA/REP" at 7912.82,10885.48 h31 r270; DISPLAY_BOTTOM "04SEP12" at 8225.42,10885.48 h31 r270; DISPLAY_BOTTOM "ADI/JSM" at 8275.42,10885.48 h31 r270
T108: PIN_NUMBER "5" at 8097.77,9931.02 h25 r180; PIN_NUMBER "2" at 8097.77,9806.02 h25 r180; PIN_NUMBER "1" at 8047.77,9806.02 h25 r180; PIN_NUMBER "3" at 8147.77,9806.02 h25 r180; PIN_NUMBER "6" at 8047.77,9931.02 h25 r180; PIN_NUMBER "4" at 8147.77,9931.02 h25 r180; ASSEMBLY_BOTTOM "UPN" at 8152.77,9868.52 h25 r90; ASSEMBLY_BOTTOM "TCM1-63AX+" at 7982.77,9868.52 h25 r90; PAD_STACK_NAME "TSML150W160H160" at 7807.77,9668.52 h50 r180; PAD_STACK_NAME "30X65" at 8007.77,10043.52 h50 r180; DISPLAY_BOTTOM "04SEP12" at 8245.97,9868.52 h31 r90; DISPLAY_BOTTOM "QA/REP" at 8208.37,9868.52 h31 r90; DISPLAY_BOTTOM "04SEP12" at 7870.97,9868.52 h31 r90; DISPLAY_BOTTOM "ADI/JSM" at 7820.97,9868.52 h31 r90
TP101: PIN_NUMBER "1" at 8427.5,9913 h25; PAD_STACK_NAME "C75D45" at 8317.5,9813 h50; PAD_STACK_NAME "TPC75D45" at 8277.5,10013 h50; DISPLAY_TOP "17DEC09" at 8590.7,9913 h31 r90; DISPLAY_TOP "ADI/MAM" at 8540.7,9913 h31 r90; DISPLAY_TOP "ADI/PMA" at 8450.7,9913 h31 r90; DISPLAY_TOP "26APR99" at 8250.7,9913 h31 r90; DISPLAY_TOP "CEXI/BTC" at 8188.3,9913 h31 r90; DISPLAY_TOP "26APR99" at 8500.7,9913 h31 r90; ASSEMBLY_TOP "UPN" at 8507.5,9913 h25 r90; ASSEMBLY_TOP "WP45" at 8372.5,9913 h25 r90
TP102: PIN_NUMBER "1" at 7600,10385.5 h25; PAD_STACK_NAME "C75D45" at 7490,10285.5 h50; PAD_STACK_NAME "TPC75D45" at 7450,10485.5 h50; DISPLAY_TOP "17DEC09" at 7763.2,10385.5 h31 r90; DISPLAY_TOP "ADI/MAM" at 7713.2,10385.5 h31 r90; DISPLAY_TOP "ADI/PMA" at 7623.2,10385.5 h31 r90; DISPLAY_TOP "26APR99" at 7423.2,10385.5 h31 r90; DISPLAY_TOP "CEXI/BTC" at 7360.8,10385.5 h31 r90; DISPLAY_TOP "26APR99" at 7673.2,10385.5 h31 r90; ASSEMBLY_TOP "UPN" at 7680,10385.5 h25 r90; ASSEMBLY_TOP "WP45" at 7545,10385.5 h25 r90
TP201: PIN_NUMBER "1" at 10052.5,9720.5 h25 r90; ASSEMBLY_BOTTOM "TP-108" at 10043.8,9739.3 h25; ASSEMBLY_BOTTOM "UPN" at 9979.8,9680.8 h25; PAD_STACK_NAME "TPSM70X135" at 9716.9,9712.1 h50 r90; PAD_STACK_NAME "14X30" at 10128.1,9728 h50 r90; DISPLAY_BOTTOM "DDMMMYY" at 9981.9,9497.3 h31; DISPLAY_BOTTOM "ADI/JDB" at 9975.7,9870.5 h31; DISPLAY_BOTTOM "02AUG13" at 9975.7,9820.5 h31; DISPLAY_BOTTOM "QA/XXX" at 9993.6,9533.6 h31; DISPLAY_BOTTOM "QA/XXX" at 9988.1,9620.5 h31; DISPLAY_BOTTOM "DDMMMYY" at 9976.4,9583.7 h31
TP202: PIN_NUMBER "1" at 10100,9720.5 h25 r270; ASSEMBLY_BOTTOM "TP-108" at 10008.7,9701.7 h25 r180; ASSEMBLY_BOTTOM "UPN" at 10132.7,9760.2 h25 r180; PAD_STACK_NAME "TPSM70X135" at 10055.6,9728.9 h50 r270; PAD_STACK_NAME "14X30" at 9844.4,9713 h50 r270; DISPLAY_BOTTOM "DDMMMYY" at 10017,9943.7 h31 r180; DISPLAY_BOTTOM "ADI/JDB" at 10023.2,9570.5 h31 r180; DISPLAY_BOTTOM "02AUG13" at 10023.2,9620.5 h31 r180; DISPLAY_BOTTOM "QA/XXX" at 10030.1,9907.4 h31 r180; DISPLAY_BOTTOM "QA/XXX" at 10035.6,9820.5 h31 r180; DISPLAY_BOTTOM "DDMMMYY" at 10022.5,9857.3 h31 r180
TP203: PIN_NUMBER "1" at 10047.5,9870.5 h25 r90; ASSEMBLY_BOTTOM "TP-108" at 10038.8,9889.3 h25; ASSEMBLY_BOTTOM "UPN" at 9974.8,9830.8 h25; PAD_STACK_NAME "TPSM70X135" at 9711.9,9862.1 h50 r90; PAD_STACK_NAME "14X30" at 10123.1,9878 h50 r90; DISPLAY_BOTTOM "DDMMMYY" at 9976.9,9647.3 h31; DISPLAY_BOTTOM "ADI/JDB" at 9970.7,10020.5 h31; DISPLAY_BOTTOM "02AUG13" at 9970.7,9970.5 h31; DISPLAY_BOTTOM "QA/XXX" at 9988.6,9683.6 h31; DISPLAY_BOTTOM "QA/XXX" at 9983.1,9770.5 h31; DISPLAY_BOTTOM "DDMMMYY" at 9971.4,9733.7 h31
TP204: PIN_NUMBER "1" at 10100,9870.5 h25 r90; ASSEMBLY_BOTTOM "TP-108" at 10091.3,9889.3 h25; ASSEMBLY_BOTTOM "UPN" at 10027.3,9830.8 h25; PAD_STACK_NAME "TPSM70X135" at 9764.4,9862.1 h50 r90; PAD_STACK_NAME "14X30" at 10175.6,9878 h50 r90; DISPLAY_BOTTOM "DDMMMYY" at 10029.4,9647.3 h31; DISPLAY_BOTTOM "ADI/JDB" at 10023.2,10020.5 h31; DISPLAY_BOTTOM "02AUG13" at 10023.2,9970.5 h31; DISPLAY_BOTTOM "QA/XXX" at 10041.1,9683.6 h31; DISPLAY_BOTTOM "QA/XXX" at 10035.6,9770.5 h31; DISPLAY_BOTTOM "DDMMMYY" at 10023.9,9733.7 h31
TP205: PIN_NUMBER "1" at 9925,10000.5 h25 r90; ASSEMBLY_BOTTOM "TP-108" at 9916.3,10019.3 h25; ASSEMBLY_BOTTOM "UPN" at 9852.3,9960.8 h25; PAD_STACK_NAME "TPSM70X135" at 9589.4,9992.1 h50 r90; PAD_STACK_NAME "14X30" at 10000.6,10008 h50 r90; DISPLAY_BOTTOM "DDMMMYY" at 9854.4,9777.3 h31; DISPLAY_BOTTOM "ADI/JDB" at 9848.2,10150.5 h31; DISPLAY_BOTTOM "02AUG13" at 9848.2,10100.5 h31; DISPLAY_BOTTOM "QA/XXX" at 9866.1,9813.6 h31; DISPLAY_BOTTOM "QA/XXX" at 9860.6,9900.5 h31; DISPLAY_BOTTOM "DDMMMYY" at 9848.9,9863.7 h31
TP206: PIN_NUMBER "1" at 9925,10033 h25 r90; ASSEMBLY_BOTTOM "TP-108" at 9916.3,10051.8 h25; ASSEMBLY_BOTTOM "UPN" at 9852.3,9993.3 h25; PAD_STACK_NAME "TPSM70X135" at 9589.4,10024.6 h50 r90; PAD_STACK_NAME "14X30" at 10000.6,10040.5 h50 r90; DISPLAY_BOTTOM "DDMMMYY" at 9854.4,9809.8 h31; DISPLAY_BOTTOM "ADI/JDB" at 9848.2,10183 h31; DISPLAY_BOTTOM "02AUG13" at 9848.2,10133 h31; DISPLAY_BOTTOM "QA/XXX" at 9866.1,9846.1 h31; DISPLAY_BOTTOM "QA/XXX" at 9860.6,9933 h31; DISPLAY_BOTTOM "DDMMMYY" at 9848.9,9896.2 h31
TP207: PIN_NUMBER "1" at 10027.5,10145.5 h25 r180; ASSEMBLY_BOTTOM "TP-108" at 9958.7,10186.8 h25 r90; ASSEMBLY_BOTTOM "UPN" at 10047.2,10092.8 h25 r90; PAD_STACK_NAME "TPSM70X135" at 9845.9,9999.9 h50 r180; PAD_STACK_NAME "14X30" at 9930,10311.1 h50 r180; DISPLAY_BOTTOM "DDMMMYY" at 10173.9,10151.7 h31 r90; DISPLAY_BOTTOM "ADI/JDB" at 9800.7,10145.5 h31 r90; DISPLAY_BOTTOM "02AUG13" at 9850.7,10145.5 h31 r90; DISPLAY_BOTTOM "QA/XXX" at 10150,10151 h31 r90; DISPLAY_BOTTOM "QA/XXX" at 10063.1,10145.5 h31 r90; DISPLAY_BOTTOM "DDMMMYY" at 10087.5,10146.2 h31 r90
TP208: PIN_NUMBER "1" at 10027.5,10195.5 h25 r180; ASSEMBLY_BOTTOM "TP-108" at 9958.7,10236.8 h25 r90; ASSEMBLY_BOTTOM "UPN" at 10047.2,10142.8 h25 r90; PAD_STACK_NAME "TPSM70X135" at 9845.9,10049.9 h50 r180; PAD_STACK_NAME "14X30" at 9930,10361.1 h50 r180; DISPLAY_BOTTOM "DDMMMYY" at 10173.9,10201.7 h31 r90; DISPLAY_BOTTOM "ADI/JDB" at 9800.7,10195.5 h31 r90; DISPLAY_BOTTOM "02AUG13" at 9850.7,10195.5 h31 r90; DISPLAY_BOTTOM "QA/XXX" at 10150,10201 h31 r90; DISPLAY_BOTTOM "QA/XXX" at 10063.1,10195.5 h31 r90; DISPLAY_BOTTOM "DDMMMYY" at 10087.5,10196.2 h31 r90
TP209: PIN_NUMBER "1" at 10100,10320.5 h25 r180; ASSEMBLY_BOTTOM "TP-108" at 10031.2,10361.8 h25 r90; ASSEMBLY_BOTTOM "UPN" at 10119.7,10267.8 h25 r90; PAD_STACK_NAME "TPSM70X135" at 9918.4,10174.9 h50 r180; PAD_STACK_NAME "14X30" at 10002.5,10486.1 h50 r180; DISPLAY_BOTTOM "DDMMMYY" at 10246.4,10326.7 h31 r90; DISPLAY_BOTTOM "ADI/JDB" at 9873.2,10320.5 h31 r90; DISPLAY_BOTTOM "02AUG13" at 9923.2,10320.5 h31 r90; DISPLAY_BOTTOM "QA/XXX" at 10222.5,10326 h31 r90; DISPLAY_BOTTOM "QA/XXX" at 10135.6,10320.5 h31 r90; DISPLAY_BOTTOM "DDMMMYY" at 10160,10321.2 h31 r90
TP210: PIN_NUMBER "1" at 10047.5,10320.5 h25 r180; ASSEMBLY_BOTTOM "TP-108" at 9978.7,10361.8 h25 r90; ASSEMBLY_BOTTOM "UPN" at 10067.2,10267.8 h25 r90; PAD_STACK_NAME "TPSM70X135" at 9865.9,10174.9 h50 r180; PAD_STACK_NAME "14X30" at 9950,10486.1 h50 r180; DISPLAY_BOTTOM "DDMMMYY" at 10193.9,10326.7 h31 r90; DISPLAY_BOTTOM "ADI/JDB" at 9820.7,10320.5 h31 r90; DISPLAY_BOTTOM "02AUG13" at 9870.7,10320.5 h31 r90; DISPLAY_BOTTOM "QA/XXX" at 10170,10326 h31 r90; DISPLAY_BOTTOM "QA/XXX" at 10083.1,10320.5 h31 r90; DISPLAY_BOTTOM "DDMMMYY" at 10107.5,10321.2 h31 r90
TP211: PIN_NUMBER "1" at 10027.45,10495.5 h25; ASSEMBLY_BOTTOM "TP-108" at 9996.25,10454.2 h25 r270; ASSEMBLY_BOTTOM "UPN" at 9967.75,10548.2 h25 r270; PAD_STACK_NAME "TPSM70X135" at 9829.05,10641.1 h50; PAD_STACK_NAME "14X30" at 9944.95,10329.9 h50; DISPLAY_BOTTOM "DDMMMYY" at 9727.45,10489.3 h31 r270; DISPLAY_BOTTOM "ADI/JDB" at 10100.65,10495.5 h31 r270; DISPLAY_BOTTOM "02AUG13" at 10050.65,10495.5 h31 r270; DISPLAY_BOTTOM "QA/XXX" at 9776.15,10490 h31 r270; DISPLAY_BOTTOM "QA/XXX" at 9863.05,10495.5 h31 r270; DISPLAY_BOTTOM "DDMMMYY" at 9813.85,10494.8 h31 r270
TP212: PIN_NUMBER "1" at 10100,9620.5 h25 r90; ASSEMBLY_BOTTOM "TP-108" at 10091.3,9639.3 h25; ASSEMBLY_BOTTOM "UPN" at 10027.3,9580.8 h25; PAD_STACK_NAME "TPSM70X135" at 9764.4,9612.1 h50 r90; PAD_STACK_NAME "14X30" at 10175.6,9628 h50 r90; DISPLAY_BOTTOM "DDMMMYY" at 10029.4,9397.3 h31; DISPLAY_BOTTOM "ADI/JDB" at 10023.2,9770.5 h31; DISPLAY_BOTTOM "02AUG13" at 10023.2,9720.5 h31; DISPLAY_BOTTOM "QA/XXX" at 10041.1,9433.6 h31; DISPLAY_BOTTOM "QA/XXX" at 10035.6,9520.5 h31; DISPLAY_BOTTOM "DDMMMYY" at 10023.9,9483.7 h31
TP213: PIN_NUMBER "1" at 10100,9670.5 h25 r90; ASSEMBLY_BOTTOM "TP-108" at 10091.3,9689.3 h25; ASSEMBLY_BOTTOM "UPN" at 10027.3,9630.8 h25; PAD_STACK_NAME "TPSM70X135" at 9764.4,9662.1 h50 r90; PAD_STACK_NAME "14X30" at 10175.6,9678 h50 r90; DISPLAY_BOTTOM "DDMMMYY" at 10029.4,9447.3 h31; DISPLAY_BOTTOM "ADI/JDB" at 10023.2,9820.5 h31; DISPLAY_BOTTOM "02AUG13" at 10023.2,9770.5 h31; DISPLAY_BOTTOM "QA/XXX" at 10041.1,9483.6 h31; DISPLAY_BOTTOM "QA/XXX" at 10035.6,9570.5 h31; DISPLAY_BOTTOM "DDMMMYY" at 10023.9,9533.7 h31
TP214: PIN_NUMBER "1" at 10100,9770.5 h25 r90; ASSEMBLY_BOTTOM "TP-108" at 10091.3,9789.3 h25; ASSEMBLY_BOTTOM "UPN" at 10027.3,9730.8 h25; PAD_STACK_NAME "TPSM70X135" at 9764.4,9762.1 h50 r90; PAD_STACK_NAME "14X30" at 10175.6,9778 h50 r90; DISPLAY_BOTTOM "DDMMMYY" at 10029.4,9547.3 h31; DISPLAY_BOTTOM "ADI/JDB" at 10023.2,9920.5 h31; DISPLAY_BOTTOM "02AUG13" at 10023.2,9870.5 h31; DISPLAY_BOTTOM "QA/XXX" at 10041.1,9583.6 h31; DISPLAY_BOTTOM "QA/XXX" at 10035.6,9670.5 h31; DISPLAY_BOTTOM "DDMMMYY" at 10023.9,9633.7 h31
TP215: PIN_NUMBER "1" at 10100,9820.5 h25 r270; ASSEMBLY_BOTTOM "TP-108" at 10008.7,9801.7 h25 r180; ASSEMBLY_BOTTOM "UPN" at 10132.7,9860.2 h25 r180; PAD_STACK_NAME "TPSM70X135" at 10055.6,9828.9 h50 r270; PAD_STACK_NAME "14X30" at 9844.4,9813 h50 r270; DISPLAY_BOTTOM "DDMMMYY" at 10017,10043.7 h31 r180; DISPLAY_BOTTOM "ADI/JDB" at 10023.2,9670.5 h31 r180; DISPLAY_BOTTOM "02AUG13" at 10023.2,9720.5 h31 r180; DISPLAY_BOTTOM "QA/XXX" at 10030.1,10007.4 h31 r180; DISPLAY_BOTTOM "QA/XXX" at 10035.6,9920.5 h31 r180; DISPLAY_BOTTOM "DDMMMYY" at 10022.5,9957.3 h31 r180
TP216: PIN_NUMBER "1" at 10150,9970.5 h25 r180; ASSEMBLY_BOTTOM "TP-108" at 10081.2,10011.8 h25 r90; ASSEMBLY_BOTTOM "UPN" at 10169.7,9917.8 h25 r90; PAD_STACK_NAME "TPSM70X135" at 9968.4,9824.9 h50 r180; PAD_STACK_NAME "14X30" at 10052.5,10136.1 h50 r180; DISPLAY_BOTTOM "DDMMMYY" at 10296.4,9976.7 h31 r90; DISPLAY_BOTTOM "ADI/JDB" at 9923.2,9970.5 h31 r90; DISPLAY_BOTTOM "02AUG13" at 9973.2,9970.5 h31 r90; DISPLAY_BOTTOM "QA/XXX" at 10272.5,9976 h31 r90; DISPLAY_BOTTOM "QA/XXX" at 10185.6,9970.5 h31 r90; DISPLAY_BOTTOM "DDMMMYY" at 10210,9971.2 h31 r90
TP217: PIN_NUMBER "1" at 10100,9970.5 h25; ASSEMBLY_BOTTOM "TP-108" at 10068.8,9929.2 h25 r270; ASSEMBLY_BOTTOM "UPN" at 10040.3,10023.2 h25 r270; PAD_STACK_NAME "TPSM70X135" at 9901.6,10116.1 h50; PAD_STACK_NAME "14X30" at 10017.5,9804.9 h50; DISPLAY_BOTTOM "DDMMMYY" at 9800,9964.3 h31 r270; DISPLAY_BOTTOM "ADI/JDB" at 10173.2,9970.5 h31 r270; DISPLAY_BOTTOM "02AUG13" at 10123.2,9970.5 h31 r270; DISPLAY_BOTTOM "QA/XXX" at 9848.7,9965 h31 r270; DISPLAY_BOTTOM "QA/XXX" at 9935.6,9970.5 h31 r270; DISPLAY_BOTTOM "DDMMMYY" at 9886.4,9969.8 h31 r270
TP218: PIN_NUMBER "1" at 10167.5,10095.5 h25 r270; ASSEMBLY_BOTTOM "TP-108" at 10076.2,10076.7 h25 r180; ASSEMBLY_BOTTOM "UPN" at 10200.2,10135.2 h25 r180; PAD_STACK_NAME "TPSM70X135" at 10123.1,10103.9 h50 r270; PAD_STACK_NAME "14X30" at 9911.9,10088 h50 r270; DISPLAY_BOTTOM "DDMMMYY" at 10084.5,10318.7 h31 r180; DISPLAY_BOTTOM "ADI/JDB" at 10090.7,9945.5 h31 r180; DISPLAY_BOTTOM "02AUG13" at 10090.7,9995.5 h31 r180; DISPLAY_BOTTOM "QA/XXX" at 10097.6,10282.4 h31 r180; DISPLAY_BOTTOM "QA/XXX" at 10103.1,10195.5 h31 r180; DISPLAY_BOTTOM "DDMMMYY" at 10090,10232.3 h31 r180